# Altium PCB UHF Transceiver PCB.PcbDoc (part 4 of 5)
Units mil, origin at the board's own origin, x right, y up, seen from the top; angles counter-clockwise.
Board outline 3450 x 3675 mil, 4 copper layers (Component Side, GND, +3V3, Solder Side), stack 61.849 mil thick; 297 components, 243 nets, 1002 pads, 800 vias.
Unrouted connection lines stored in the file: 203.
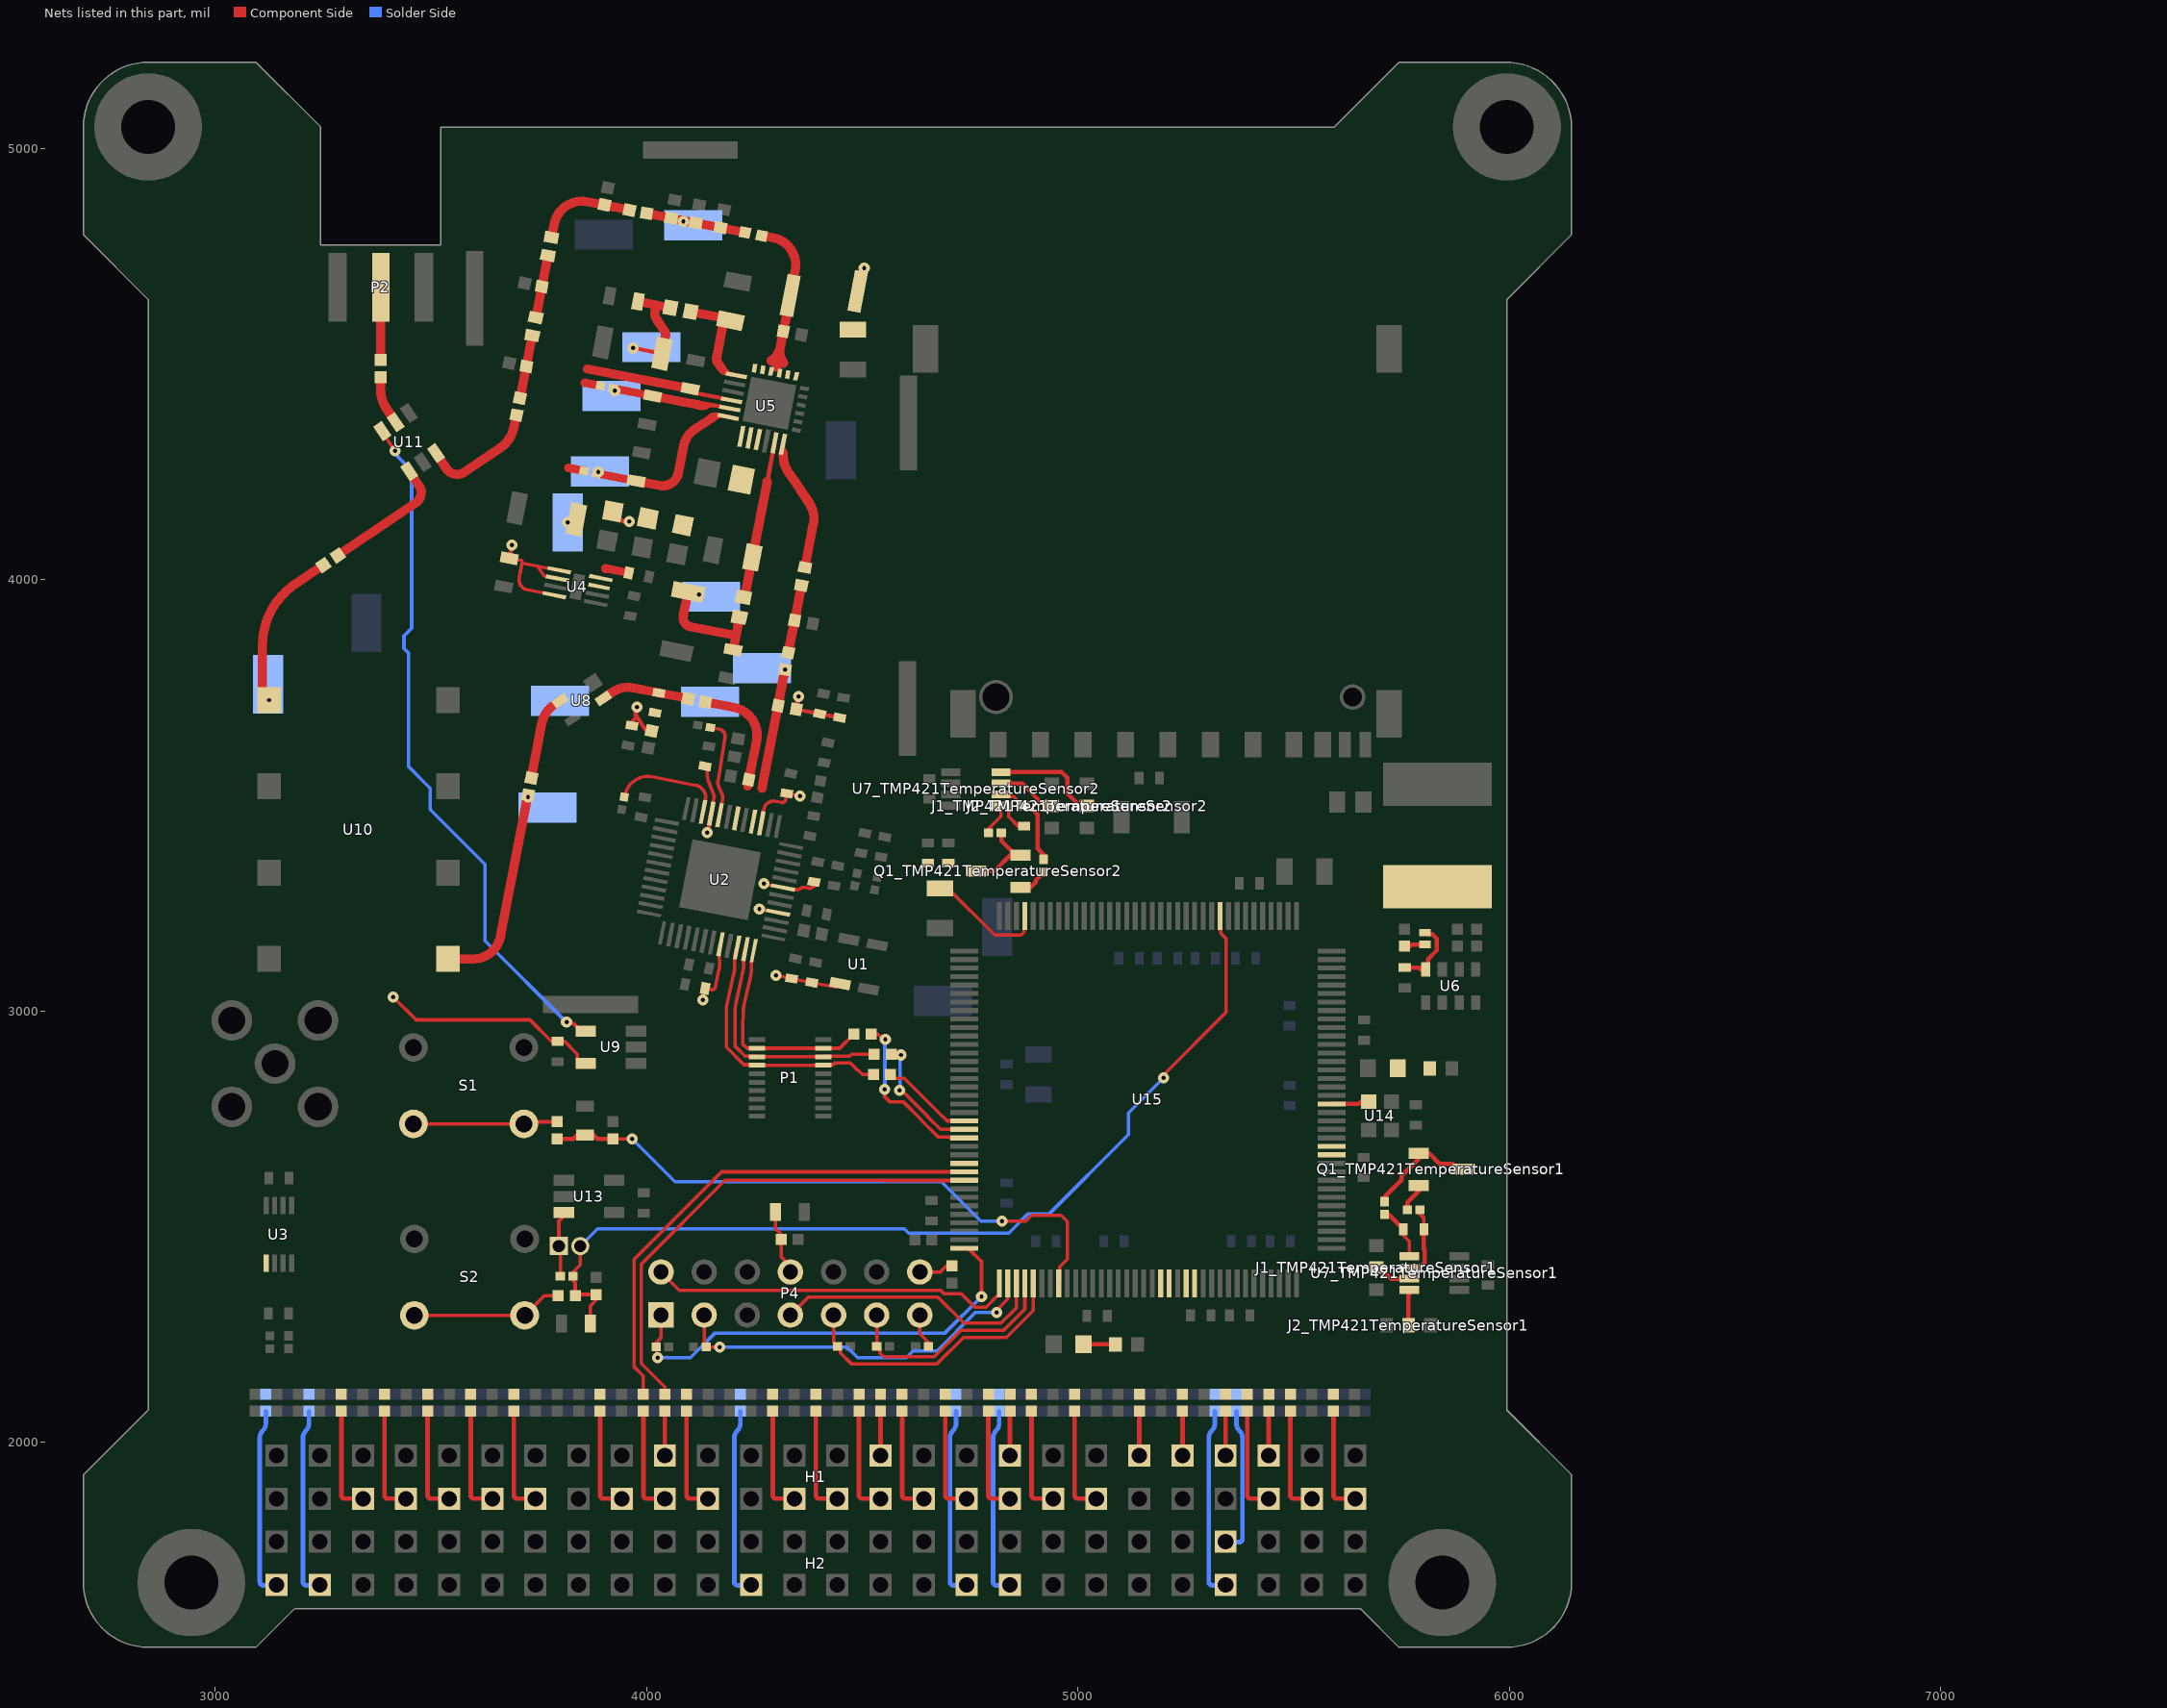
[diagram p6: the nets of this part, all layers, seen from the top]

## Via types
v1: diameter 25.84, hole 9.84, Component Side to Solder Side, tented both sides, 647 vias
v2: diameter 25.78, hole 9.84, Component Side to Solder Side, tented both sides, 129 vias
v3: diameter 21.81, hole 11.81, Component Side to Solder Side, tented both sides, 20 vias
v4: diameter 25.84, hole 9.84, Component Side to Solder Side, 3 vias
v5: diameter 25.84, hole 9.84, GND to Solder Side, tented both sides, 1 vias

## Nets (pads, with @x,y where several pads share a name; then routed paths per layer and width w, separated by ;. In a path a pad name is that pad's centre, name@x,y a point inside that pad or via, vN(x,y) a via of type N, cw(c..) or ccw(c..) an arc to the next point about the centre after c; other vN are vias at no path point) (continued)
NetC27_1: C27.1 C30.2 R15.2 TP2.1 | length 258.5
  Component Side w10.24: v1(3968.63,4536.99) C27.1@4035.37,4524.02
  Component Side w21.55: 3994.97,4642.16 4022.24,4636.86 ; C27.1@4035.37,4524.02 4043.21,4564.35 ; R15.2@4049.52,4631.56 4022.24,4636.86 ; 4022.24,4636.86 4018.91,4619.71 ccw(c4037.68,4616.06) 4021.83,4605.37 4040.49,4577.69 ; 4040.49,4577.69 cw(c4025.75,4567.75) 4043.21,4564.35 ; 4040.5,4577.69 cw(c4025.75,4567.75) 4043.21,4564.35
NetC28_1: C28.1 R13.1 TP3.1 U5.24 | length 635.8
  Component Side w8: R13.1@3883.49,4246.23 R13.1@3883.58,4246.7
  Component Side w10: 4134.62,4364.02 4151.08,4375.12 4151.03,4375.19 4150.93,4375.34
  Component Side w10.24: 4119.81,4360.86 4148.04,4379.9 cw(c4158.34,4364.64) 4161.85,4382.71 U5.24@4175.22,4380.11 ; 4150.93,4375.34 4151.19,4375.29 ; U5.24@4203.41,4374.63 U5.24@4188.69,4377.49 U5.24@4175.29,4380.09 ; 4139.45,4360.64 cw(c4136.18,4365.49) 4131.53,4361.94 ccw(c4136.18,4365.49) 4139.45,4360.64 ; 4139.45,4360.64 U5.24@4165.21,4378.02 ; U5.24@4165.21,4378.02 cw(c4154.96,4393.31) 4151.45,4375.24 ccw(c4154.96,4393.31) 4160.41,4375.73 ccw(c4154.96,4393.31) U5.24@4165.2,4378.02 ; U5.24@4175.22,4380.11 ccw(c4172.74,4366.95) 4165.25,4378.05 cw(c4172.74,4366.95) U5.24@4175.22,4380.11 ; U5.24@4175.22,4380.11 cw(c4172.74,4366.95) U5.24@4175.29,4380.09 ; U5.24@4175.22,4380.11 U5.24@4175.29,4380.09
  Component Side w19.68: R13.1@3883.21,4246.77 3883.58,4246.7 C28.1@3975,4228.93
  Component Side w21.55: C28.1@3975,4228.93 4029.6,4218.32 ; 4151.19,4375.29 4151.03,4375.19 4131.33,4362.22 4110.6,4348.24 ccw(c4143.89,4298.87) 4085.44,4310.23 4073.3,4247.79 ; 4029.61,4218.32 ccw(c4036.72,4254.91) 4073.3,4247.79 ; 4029.6,4218.32 ccw(c4036.72,4254.91) 4073.3,4247.79
  other v1: 3887.4,4249.53
NetC31_2: C31.2 C36.1 R16.2 TP4.1 | length 258.5
  Component Side w10: C31.2@4092.69,3970.22 C31.2@4095.1,3969.81
  Component Side w21.55: C31.2@4095.5,3971.9 4095.1,3969.81 4084.66,3916.1 ccw(c4105.87,3911.97) 4101.74,3890.77 4206.44,3870.42 ; C36.1@4200.84,3841.65 4206.44,3870.42 ; R16.2@4212.03,3899.18 4206.44,3870.42
  other v1: 4121.47,3965.74
NetC32_1: C32.1 R14.1 TP5.1 U5.23 | length 385
  Component Side w10: 4120.24,4405.25 4139.72,4401.46 4139.67,4401.2
  Component Side w10.24: 4105.37,4402.37 4125.87,4398.39 ; 4139.89,4401.35 4139.67,4401.2 ; 4153.86,4404.31 ccw(c4150.4,4386.23) 4140.11,4401.49 cw(c4150.4,4386.23) 4153.88,4404.31 ; U5.23@4192.07,4396.89 4153.91,4404.3 ; 4116.58,4405.96 ccw(c4122.25,4404.5) 4116.51,4405.62 cw(c4122.25,4404.5) 4116.58,4405.96 ; 4116.58,4405.96 cw(c4122.25,4404.5) 4122.79,4410.32 cw(c4122.25,4404.5) 4123.36,4410.24 4153.88,4404.31 ; 4125.87,4398.39 ccw(c4129.38,4416.46) 4139.67,4401.2 ; 4125.87,4398.39 ccw(c4129.38,4416.46) 4139.67,4401.2
  Component Side w19.68: R14.1@3921.53,4443.87 C32.1@4013.31,4426.03
  Component Side w21.55: C32.1@4009.39,4426.79 C32.1@4013.31,4426.03 4116.58,4405.96 4120.24,4405.25
  other v1: 3926.21,4438.35
NetC35_2: C35.2 R15.1 U5.19 | length 346.8
  Component Side w10.24: 4165.03,4492.81 4168.88,4487.1 ; 4174.63,4498.52 U5.19@4185.52,4482.38 ; U5.19@4222.19,4471.24 U5.19@4207.47,4474.11 U5.19@4194.07,4476.71 ; 4168.88,4487.1 ccw(c4184.14,4497.39) 4180.63,4479.32 ; 4168.88,4487.1 ccw(c4184.14,4497.39) 4180.63,4479.32 ; 4180.63,4479.32 U5.19@4194,4476.72 ; U5.19@4185.52,4482.38 ccw(c4170.27,4472.07) 4173.78,4490.14 cw(c4170.27,4472.07) 4185.45,4482.48 cw(c4170.27,4472.07) U5.19@4185.52,4482.38 ; U5.19@4194,4476.72 ccw(c4196.63,4489.85) U5.19@4194.07,4476.71 ; U5.19@4194,4476.72 cw(c4196.63,4489.85) 4185.53,4482.37 ccw(c4196.63,4489.85) 4189.28,4478.66 ccw(c4196.63,4489.85) 4193.93,4476.74 ccw(c4196.63,4489.85) U5.19@4194,4476.72 ; U5.19@4194,4476.72 ccw(c4196.63,4489.85) U5.19@4194.07,4476.71 ; U5.19@4194,4476.72 U5.19@4194.07,4476.71
  Component Side w21.55: R15.1@4107.49,4620.29 4179.47,4606.3 4161.81,4515.43 ; 4169.72,4495.97 4164.06,4504.35 ; 4161.81,4515.43 ccw(c4176.31,4512.61) 4164.06,4504.35 ; 4161.81,4515.43 ccw(c4176.31,4512.61) 4164.06,4504.35
NetC39_1: C39.1 R16.1 U5.5 | length 366.2
  Component Side w10.24: 4278.88,4227.62 U5.5@4296.34,4317.46
  Component Side w21.55: R16.1@4223.71,3959.3 ccw(c4218.08,3967.66) 4227.97,3965.74 4231.35,3983.13 4278.88,4227.62
NetC40_2: C40.2 L3.1 R17.1 U5.13 U5.14 U5.15 U5.16 U5.17 U5.18 | length 603.1
  Component Side w21.55: R17.1@4266.51,4798.14 4292.85,4793.02 ; 4300.29,4492.52 4309.35,4539.15 ; C40.2@4318.42,4585.77 4309.35,4539.15 ; 4320.32,4595.59 L3.1@4332.64,4658.93 4338.36,4688.38 4343.97,4717.23 ; 4292.85,4793.02 cw(c4280.52,4729.56) 4343.97,4717.23 ; 4292.85,4793.02 cw(c4280.52,4729.56) 4343.97,4717.23 ; 4309.34,4539.07 ccw(c4357.55,4529.78) 4316.84,4502.32 cw(c4357.55,4529.78) 4309.35,4539.15 ; 4309.34,4539.07 cw(c4357.55,4529.78) 4309.35,4539.15 ; 4309.34,4539.07 cw(c4261.15,4548.52) 4288.61,4507.81 ccw(c4261.15,4548.52) 4309.35,4539.15
NetC41_2: C41.2 C42.2 C43.2 C57.2 R17.2 TP12.1 | length 232.6
  Component Side w21.55: C57.2@3999.45,4849.46 C42.2@4056.53,4838.36 C43.2@4113.6,4827.27 C41.2@4170.68,4816.17 R17.2@4227.75,4805.08
  other v1: 4084.85,4831
NetC44_1: C44.1 C56.1 L4.2 | length 131.2
  Component Side w21.55: 4330.94,3844.9 4343.76,3910.83 C44.1@4355.97,3973.66
NetC44_2: C44.2 U5.6 | length 443.2
  Component Side w10: 4314.72,4280.03 4316.16,4287.44 4318.51,4299.51 4318.77,4299.46
  Component Side w10.24: 4316.44,4287.03 4316.16,4287.44 4311.81,4293.89 U5.6@4315.65,4313.64 ; 4317.81,4264.84 4317.59,4265.16 4321.57,4285.66 ; 4318.62,4299.68 4318.77,4299.46 ; U5.6@4315.65,4313.64 ccw(c4333.73,4310.19) 4318.47,4299.9 cw(c4333.73,4310.19) 4315.63,4313.56 cw(c4333.73,4310.19) U5.6@4315.65,4313.64 ; U5.6@4315.65,4313.64 cw(c4333.73,4310.19) U5.6@4315.66,4313.7 U5.6@4315.65,4313.64 ; 4318.77,4299.46 cw(c4303.51,4289.17) 4321.57,4285.66 ; 4318.77,4299.46 cw(c4303.51,4289.17) 4321.57,4285.66
  Component Side w21.55: 4316.43,4287.03 ccw(c4381.07,4286.61) 4318.56,4270.16 ccw(c4381.07,4286.61) 4326.78,4251.53 4346.45,4222.37 4376.42,4177.95 ; C44.2@4369.12,4041.29 4385.83,4127.3 ; 4376.42,4177.95 cw(c4322.81,4141.83) 4386.26,4129.5 ccw(c4322.81,4141.83) 4376.42,4177.95
NetC47_TMP421TemperatureSensor1_1: C47_TMP421TemperatureSensor1.1 R20_TMP421TemperatureSensor1.1 U7_TMP421TemperatureSensor1.2 | length 167.4
  Component Side w8: R20_TMP421TemperatureSensor1.1@5792.59,2539 5792.59,2529.16 5801.62,2520.13 C47_TMP421TemperatureSensor1.1@5801.62,2493
  Component Side w10: U7_TMP421TemperatureSensor1.2@5767.74,2405.38 5792.6,2405.38 5803.37,2416.15 5803.37,2446.61 5801.62,2448.36 C47_TMP421TemperatureSensor1.1@5801.62,2493
NetC47_TMP421TemperatureSensor1_2: C47_TMP421TemperatureSensor1.2 R19_TMP421TemperatureSensor1.1 U7_TMP421TemperatureSensor1.1 | length 132.5
  Component Side w8: C47_TMP421TemperatureSensor1.2@5754.17,2493.72 5754.17,2479.55 5767.74,2465.99 U7_TMP421TemperatureSensor1.1@5767.74,2431.38
  Component Side w10: R19_TMP421TemperatureSensor1.1@5710,2528.2 5719.84,2528.2 5745.56,2502.49 5754.38,2502.49 C47_TMP421TemperatureSensor1.2@5754.38,2493
NetC47_TMP421TemperatureSensor2_1: C47_TMP421TemperatureSensor2.1 R20_TMP421TemperatureSensor2.1 U7_TMP421TemperatureSensor2.2 | length 230.7
  Component Side w8: U7_TMP421TemperatureSensor2.2@4821.07,3502 4821.35,3501.72 4826.07,3497 4849.9,3497 4871.06,3475.84 C47_TMP421TemperatureSensor2.1@4875,3475.84
  Component Side w10: U7_TMP421TemperatureSensor2.2@4807.07,3501.72 U7_TMP421TemperatureSensor2.2@4821.35,3501.72 ; C47_TMP421TemperatureSensor2.1@4875,3475.84 4883.32,3475.84 4883.32,3471.46 4884.17,3470.6 4891.24,3470.6 4905.62,3456.22 4905.62,3376.97 4920,3362.59 R20_TMP421TemperatureSensor2.1@4920,3351.8
NetC47_TMP421TemperatureSensor2_2: C47_TMP421TemperatureSensor2.2 R19_TMP421TemperatureSensor2.1 U7_TMP421TemperatureSensor2.1 | length 160.8
  Component Side w8: R19_TMP421TemperatureSensor2.1@4792.28,3412.76 4792.28,3422.6 4821.07,3451.4 U7_TMP421TemperatureSensor2.1@4821.07,3476 4834.07,3476 4839.07,3471 4839.07,3450.35 4860.83,3428.59 C47_TMP421TemperatureSensor2.2@4875,3428.59
NetC52_1: C52.1 L5.2 TP10.1 U8.1 | length 206.1
  Component Side w21.55: U8.1@3899.3,3724.96 3920.38,3739.18 cw(c3956.53,3685.59) 3968.63,3749.08 ; 3968.86,3749.04 ccw(c3956.53,3685.59) 3968.64,3749.08 ; C52.1@4096.16,3724.3 L5.2@4028.22,3737.5 3985.45,3745.82 3968.64,3749.08
NetC52_2: C52.2 L2.2 U2.6 | length 278.1
  Component Side w21.55: C52.2@4135.58,3716.63 4203.53,3703.42 ; 4203.36,3703.46 cw(c4191.03,3640.01) 4203.53,3703.42 ; L2.2@4233.99,3522.27 4237.66,3541.14 4239.57,3550.96 4254.48,3627.67 ccw(c4191.03,3640.01) 4203.53,3703.42
NetC53_1: C53.1 TP9.1 U10.8 | length 585.6
  Component Side w21.55: U10.8@3523.98,3120.78 3597.57,3120.78 ; C53.1@3724.7,3500.74 3661.01,3173.09 ; 3597.57,3120.78 ccw(c3597.57,3185.42) 3661.02,3173.08 ; 3597.57,3120.78 ccw(c3597.57,3185.42) 3661.02,3173.08
  other v1: 3724.7,3495.82
NetC53_2: C53.2 TP8.1 U8.3 | length 249.5
  Component Side w21.55: C53.2@3732.13,3540.5 3745.34,3608.43 3753.65,3651.21 3756.92,3667.99 ; U8.3@3799.2,3719.18 3784.18,3709.05 ; 3756.92,3667.99 ccw(c3820.33,3655.46) 3756.88,3667.79 cw(c3820.33,3655.46) 3756.92,3667.99 ; 3756.92,3668.01 cw(c3820.33,3655.46) 3784.18,3709.05 ; 3756.92,3668.01 cw(c3820.33,3655.46) 3784.18,3709.05
NetC54_1: C54.1 U11.1 | length 302.1
  Component Side w21.55: C54.1@3283.65,4056.23 3462.43,4177.15 ; U11.1@3449.36,4251.57 3475.41,4212.95 cw(c3447.18,4202.8) 3463.96,4177.93
NetC54_2: C54.2 TP7.1 U10.1 | length 371.8
  Component Side w21.55: U10.1@3108.98,3720.78 3108.98,3846 ; 3109.01,3847.81 cw(c3279.72,3847.81) 3184.26,3989.34 ; 3184.27,3989.07 C54.2@3250.35,4033.77
  other v1: 3123.98,3720.78
NetC55_1: C55.1 P2.1 | length 153.8
  Component Side w21.55: 3383.2,4523.93 P2.1@3383.2,4677.68
NetC55_2: C55.2 U11.5 | length 113.2
  Component Side w21.55: C55.2@3383.2,4469.4 3382.9,4469.11 3382.9,4440.85 ccw(c3461.61,4440.85) 3396.36,4396.84 3403,4387 U11.5@3417.63,4365.51
NetC56_2: C56.2 L1.1 TP11.1 U2.4 | length 316.3
  Component Side w21.55: 4266.98,3515.85 4270.77,3535.34 4313.84,3756.95 ; L1.1@4304.3,3707.86 4317.79,3777.27
  other v1: 4320.54,3791.38
NetC57_1: C57.1 C59.2 L6.1 | length 231.4
  Component Side w21.55: L6.1@3780.03,4796.3 3785.64,4825.17 cw(c3849.09,4812.84) 3861.42,4876.29 3921.12,4864.68 C57.1@3960.03,4857.12
NetC58_1: C58.1 U11.3 | length 279.9
  Component Side w21.55: U11.3@3511.38,4293.4 3536.88,4255.6 ; 3535.38,4257.63 ccw(c3560.25,4274.41) 3536.88,4255.6 ; 3577.05,4249.5 3661.21,4306.42 ccw(c3621.33,4365.54) 3691.33,4351.94 C58.1@3696.97,4380.95 ; 3577.03,4249.53 cw(c3560.25,4274.41) 3536.88,4255.6
NetC58_2: C58.2 C61.2 L7.2 | length 147.2
  Component Side w21.55: C58.2@3706.47,4421.56 C61.2@3720.65,4494.51 L7.2@3734.56,4566.09
NetC60_2: C60.2 L6.2 L7.1 | length 146.8
  Component Side w21.55: L7.1@3742.67,4607.83 L6.2@3770.69,4751.94
NetC67_2: C67.2 P4.8 R34.1 | length 153.3
  Component Side w8: C67.2@4298.54,2534 4298.54,2495.57 4311.31,2482.8 R34.1@4311.31,2470 4311.31,2430.5 4333,2408.82 P4.8@4333,2395
NetC90_2: C90.2 C91.2 L8.2 U15.69 | length 281
  Component Side w8: C91.2@4679.62,3284.54 4698.04,3284.54 4806.5,3176.08 4867.5,3176.08 4874.53,3183.11 4874.53,3218.72 U15.69@4876.37,3220.56
NetD1_1: D1.1 R18.1 | length 48.7
  Component Side w10: R18.1@5757,3150.13 5769.8,3150.13 5773.88,3154.22 D1.1@5804,3154.22
NetD2_1: D2.1 R23.2
NetD3_1: D3.1 R24.2 | length 74
  Component Side w10: D3.1@5012.45,2227 R24.2@5086.41,2227
NetJ1_TMP421TemperatureSensor1_2: J1_TMP421TemperatureSensor1.2 U7_TMP421TemperatureSensor1.3 | length 87.3
  Component Side w10: J1_TMP421TemperatureSensor1.2@5691,2405 5700.76,2395.24 5709.8,2395.24 5725.66,2379.38 U7_TMP421TemperatureSensor1.3@5767.74,2379.38
NetJ1_TMP421TemperatureSensor2_2: J1_TMP421TemperatureSensor2.2 U7_TMP421TemperatureSensor2.3 | length 153.6
  Component Side w10: U7_TMP421TemperatureSensor2.3@4807.07,3527.72 4869.93,3527.72 4922.27,3475.38 J1_TMP421TemperatureSensor2.2@4939,3475.38
NetJ2_TMP421TemperatureSensor1_2: J2_TMP421TemperatureSensor1.2 U7_TMP421TemperatureSensor1.4 | length 83.2
  Component Side w10: J2_TMP421TemperatureSensor1.2@5765.82,2271 5765.82,2341.62 5767.74,2343.54 U7_TMP421TemperatureSensor1.4@5767.74,2353.38
NetJ2_TMP421TemperatureSensor2_2: J2_TMP421TemperatureSensor2.2 U7_TMP421TemperatureSensor2.4 | length 267.7
  Component Side w10: U7_TMP421TemperatureSensor2.4@4807.07,3553.72 4895.11,3553.72 4895.72,3554.33 4961.12,3554.33 4974.95,3540.5 4974.95,3504.38 5003.95,3475.38 J2_TMP421TemperatureSensor2.2@5020.68,3475.38
NetP1_13: P1.13 P1.14 R7.2 U2.34 | length 602
  Component Side w8: 4184.42,3001.37 cw(c4241.07,3001.37) 4186.04,3014.8 ; 4184.44,3001.37 4184.44,2916.06 4224.84,2875.66 4253.73,2875.66 P1.14@4255.23,2874.16 P1.13@4408.77,2874.16 4410.27,2875.66 4432.41,2875.66 4435.97,2879.22 4472.2,2879.22 4489.69,2861.72 4491.33,2861.72 4500.42,2852.63 R7.2@4527.32,2852.63 ; 4186.04,3015.12 4201.86,3086.6 ccw(c4141.15,3101.48) 4203.63,3099.54 ; 4203.64,3099.48 cw(c4339.51,3109.86) 4203.63,3099.54 ; 4203.64,3099.69 cw(c4141.15,3101.48) 4203.63,3099.54 ; U2.34@4207.2,3142.48 ccw(c4339.51,3109.86) 4203.63,3099.54
NetP1_15: P1.15 P1.16 R6.1 U2.35 | length 553
  Component Side w8: 4206.65,3018.76 ccw(c4261.68,3005.33) 4205.03,3005.33 4205.03,2918.1 4227.79,2895.34 4253.73,2895.34 P1.16@4255.23,2893.84 P1.15@4408.77,2893.84 4410.15,2895.22 4470.11,2895.22 4474.21,2899.31 4514.52,2899.31 R6.1@4527.31,2899.31 ; 4206.65,3019.08 4222.48,3090.56 ; 4221.97,3088.73 ccw(c4162,3106.4) 4222.48,3090.56 ; 4224.52,3106.15 cw(c4162,3106.4) 4224.51,3105.64 ; 4224.53,3105.49 cw(c4286.67,3112.33) 4224.51,3105.64 ; U2.35@4225.94,3127.15 ccw(c4286.67,3112.33) 4224.51,3105.64 ; 4222.48,3090.56 ccw(c4162,3106.4) 4223.51,3095.25 ; 4222.48,3090.56 4223.51,3095.25 ; 4223.51,3095.25 ccw(c4162,3106.4) 4223.53,3095.32 ; 4223.51,3095.25 4223.53,3095.32 ; 4223.53,3095.32 ccw(c4162,3106.4) 4224.51,3105.64
NetP1_17: P1.17 P1.18 R5.2 U2.36 | length 485.5
  Component Side w8: 4223.64,2997.96 4222.08,2962.94 4222.08,2923.68 4232.23,2913.53 P1.18@4255.23,2913.53 P1.17@4408.77,2913.53 4447.21,2913.53 R5.2@4480.31,2946.63 ; 4223.71,2997.96 cw(c4280.35,2997.96) 4225.32,3011.39 ; 4224.38,3007.85 4225.18,3011.42 4239.17,3073.63 ; 4239.37,3074.55 4239.17,3073.63 ; 4242.45,3104.75 cw(c4125.89,3101.43) 4239.13,3073.64 ; 4242.49,3104.67 cw(c4334.71,3104.92) U2.36@4244.97,3126.18
NetP3_1: P3.1 R29.2 U13.1 | length 163.3
  Component Side w8: R29.2@3799.58,2384.97 3799.58,2451.41 P3.1@3796,2455 3796,2512.88 3810.93,2527.8 U13.1@3810.93,2540.6
NetP4_13: P4.13 R36.1 | length 81.2
  Component Side w8: P4.13@4633,2295 4633,2251.64 4652.8,2231.84 R36.1@4652.8,2222
NetP4_14: P4.14 R35.1 | length 79.7
  Component Side w8: P4.14@4633,2395 4680.52,2395 4694.2,2408.68 R35.1@4707,2408.68
NetQ1_TMP421TemperatureSensor1_1: Q1_TMP421TemperatureSensor1.1 Q1_TMP421TemperatureSensor1.3 R19_TMP421TemperatureSensor1.2 | length 243.5
  Component Side w10: R19_TMP421TemperatureSensor1.2@5710,2557.8 5710,2568.59 5749.91,2608.5 5749.91,2617.7 5789.82,2657.61 Q1_TMP421TemperatureSensor1.1@5789.82,2670.4 ; Q1_TMP421TemperatureSensor1.1@5809.82,2670.4 5813.44,2670.4 5838.05,2645.8 5868.56,2645.8 5881.35,2633 Q1_TMP421TemperatureSensor1.3@5892.18,2633
NetQ1_TMP421TemperatureSensor1_2: Q1_TMP421TemperatureSensor1.2 R20_TMP421TemperatureSensor1.2 | length 67.7
  Component Side w10: R20_TMP421TemperatureSensor1.2@5763,2539 5763,2555.98 5789.82,2582.8 Q1_TMP421TemperatureSensor1.2@5789.82,2595.6
NetQ1_TMP421TemperatureSensor2_1: Q1_TMP421TemperatureSensor2.1 Q1_TMP421TemperatureSensor2.3 R19_TMP421TemperatureSensor2.2 | length 183.1
  Component Side w10: Q1_TMP421TemperatureSensor2.3@4763.82,3324 4805.16,3324 4842.56,3361.4 Q1_TMP421TemperatureSensor2.1@4855.35,3361.4 ; R19_TMP421TemperatureSensor2.2@4821.87,3412.76 4821.87,3394.89 Q1_TMP421TemperatureSensor2.1@4855.35,3361.4 ; Q1_TMP421TemperatureSensor2.1@4866.18,3361.4 Q1_TMP421TemperatureSensor2.1@4855.35,3361.4
NetQ1_TMP421TemperatureSensor2_2: Q1_TMP421TemperatureSensor2.2 R20_TMP421TemperatureSensor2.2 | length 71.7
  Component Side w10: Q1_TMP421TemperatureSensor2.2@4866.18,3286.6 4889.8,3286.6 4901.02,3297.81 4901.02,3302.27 4920,3321.25 R20_TMP421TemperatureSensor2.2@4920,3322.21
NetR9_2: R9.2 U2.8 | length 220.9
  Component Side w8: R9.2@4147.09,3657.17 4169.14,3652.88 cw(c4166.15,3637.52) 4181.52,3634.53 ; 4165.15,3534.19 ccw(c4192.98,3530.21) 4169.67,3514.5 ; 4165.23,3534.74 4181.47,3634.28 ; 4169.59,3514.42 cw(c4031.26,3451.86) 4175.2,3500.14 ; U2.8@4171.32,3467.55 4175.73,3490.23 4175.77,3490.4 ; 4174.08,3503.6 cw(c4151.57,3493.67) 4175.92,3490.19
NetR10_2: R10.2 U2.10 | length 277
  Component Side w8: R10.2@3947.65,3495.98 R10.2@3947.7,3496.33 ; R10.2@3949.15,3499.82 R10.2@3949.19,3500.01 ; R10.2@3949.37,3499.97 cw(c4002.95,3489.55) 4013.36,3543.13 ; 4013.33,3542.94 4114.17,3523.34 cw(c4109.45,3499.08) 4129.93,3512.92 4133.45,3507.71 ; U2.10@4130.14,3461.52 4136.35,3493.48 ; 4133.46,3507.69 cw(c4117.72,3497.1) 4136.35,3493.48 ; 4133.46,3507.69 cw(c4117.72,3497.1) 4136.35,3493.48
NetR27_1: R27.1 S1.2 | length 334.7
  Component Side w8: S1.2@3459.05,2738.42 S1.2@3714.95,2738.42 3719.6,2743.06 R27.1@3791.81,2743.06
NetR28_1: R28.1 S2.2 | length 352.7
  Component Side w8: S2.2@3461.05,2294.42 S2.2@3716.95,2294.42 3762.91,2340.38 R28.1@3794.69,2340.38
NetU3_5: U3.5
NetU9_4: U9.4 U11.6 | length 1614.1
  Component Side w8: U11.6@3384.38,4345.4 3385.46,4343.81 v1@3415.78,4298.85 ; v1(3814,2974) 3817.41,2970.59 3830.68,2970.59 3847.86,2953.4 U9.4@3858.69,2953.4
  Solder Side w8: v1(3416,4299) 3416,4294.17 3422,4288.17 3422,4286 3455,4253 3455,3887.42 3437.08,3869.49 3437.08,3840.68 3448.08,3829.68 3448.08,3566.3 3497.92,3516.46 3497.92,3466.83 3624.92,3339.83 3624.92,3163.08 v1(3814,2974)
NetU14_3: U14.3 U15.18 | length 87.5
  Component Side w10: U15.18@5587.99,2784.54 5650.76,2784.54 5655.71,2789.48 U14.3@5673.43,2789.48
nPORRST: C66.2 P3.2 R26.1 R28.2 R29.1 U15.46 | length 2238
  Component Side w8: P3.2@3846,2455 3846,2411.64 3829.17,2394.81 R29.1@3829.17,2384.97 3829.17,2375.13 3834.06,2370.24 R28.2@3834.06,2340.38 3846.86,2340.38 3849.17,2342.69 R26.1@3882.51,2342.69 3882.51,2329.9 3869.46,2316.85 C66.2@3869.46,2275.8 ; v1(5198,2845) 5198,2852 5343.22,2997.22 5343.22,3167.92 5330.97,3180.17 5330.97,3186.24 5329.13,3188.08 U15.46@5329.13,3220.56
  Solder Side w8: P3.2@3846,2455 3885.92,2494.92 4597.32,2494.92 4607.17,2485.08 4838.83,2485.08 4881.75,2528 4882.97,2528 4883.97,2529 4932.24,2529 5116.92,2713.68 5116.92,2763.92 v1(5198,2845)
nRST: C65.2 R25.1 R27.2 U15.116 | length 1430.8
  Component Side w8: R25.1@3921.81,2703.69 v1(3966,2703.69) ; v1(4823,2513) 4878.76,2513 4891.68,2525.92 4960.32,2525.92 4974.92,2511.32 4974.92,2424.68 4956.96,2406.71 4956.96,2370.04 U15.116@4955.11,2368.2
  Component Side w10: R27.2@3791.81,2703.69 3829.92,2703.69 3836.14,2709.91 C65.2@3856.81,2709.91 ; C65.2@3856.81,2711.91 3877.48,2711.91 3885.7,2703.69 R25.1@3921.81,2703.69
  Solder Side w8: v1(3966,2703.69) 4065.62,2604.08 4683,2604.08 4774.08,2513 v1(4823,2513)
nTRST: P4.2 U15.109 | length 856.7
  Component Side w8: P4.2@4033,2395 4075.47,2352.53 4681.23,2352.53 4689.23,2344.52 4729.04,2344.52 4760.48,2313.08 4786.32,2313.08 4812.96,2339.72 4815.48,2339.72 4817.32,2341.56 U15.109@4817.32,2368.2
P12: U15.12
P13: U15.13
P93: R7.1 U15.93 | length 213.5
  Component Side w8: R7.1@4566.69,2852.63 4575.48,2843.84 4596.92,2843.84 4673.83,2766.92 4674.32,2766.92 4696.08,2745.17 U15.93@4735.62,2745.17